# Altium PCB OpenCore_Carrier_Board.PcbDoc (part 5 of 5)
Units mm, origin at the board's own origin, x right, y up, seen from the top; angles counter-clockwise.
Board outline 161.24 x 91.44 mm, 6 copper layers (TOP, L2 GND, L3 PWR, L4 SIG, L5 GND, BOT), stack 1.538 mm thick; 268 components, 173 nets, 1302 pads, 1165 vias.
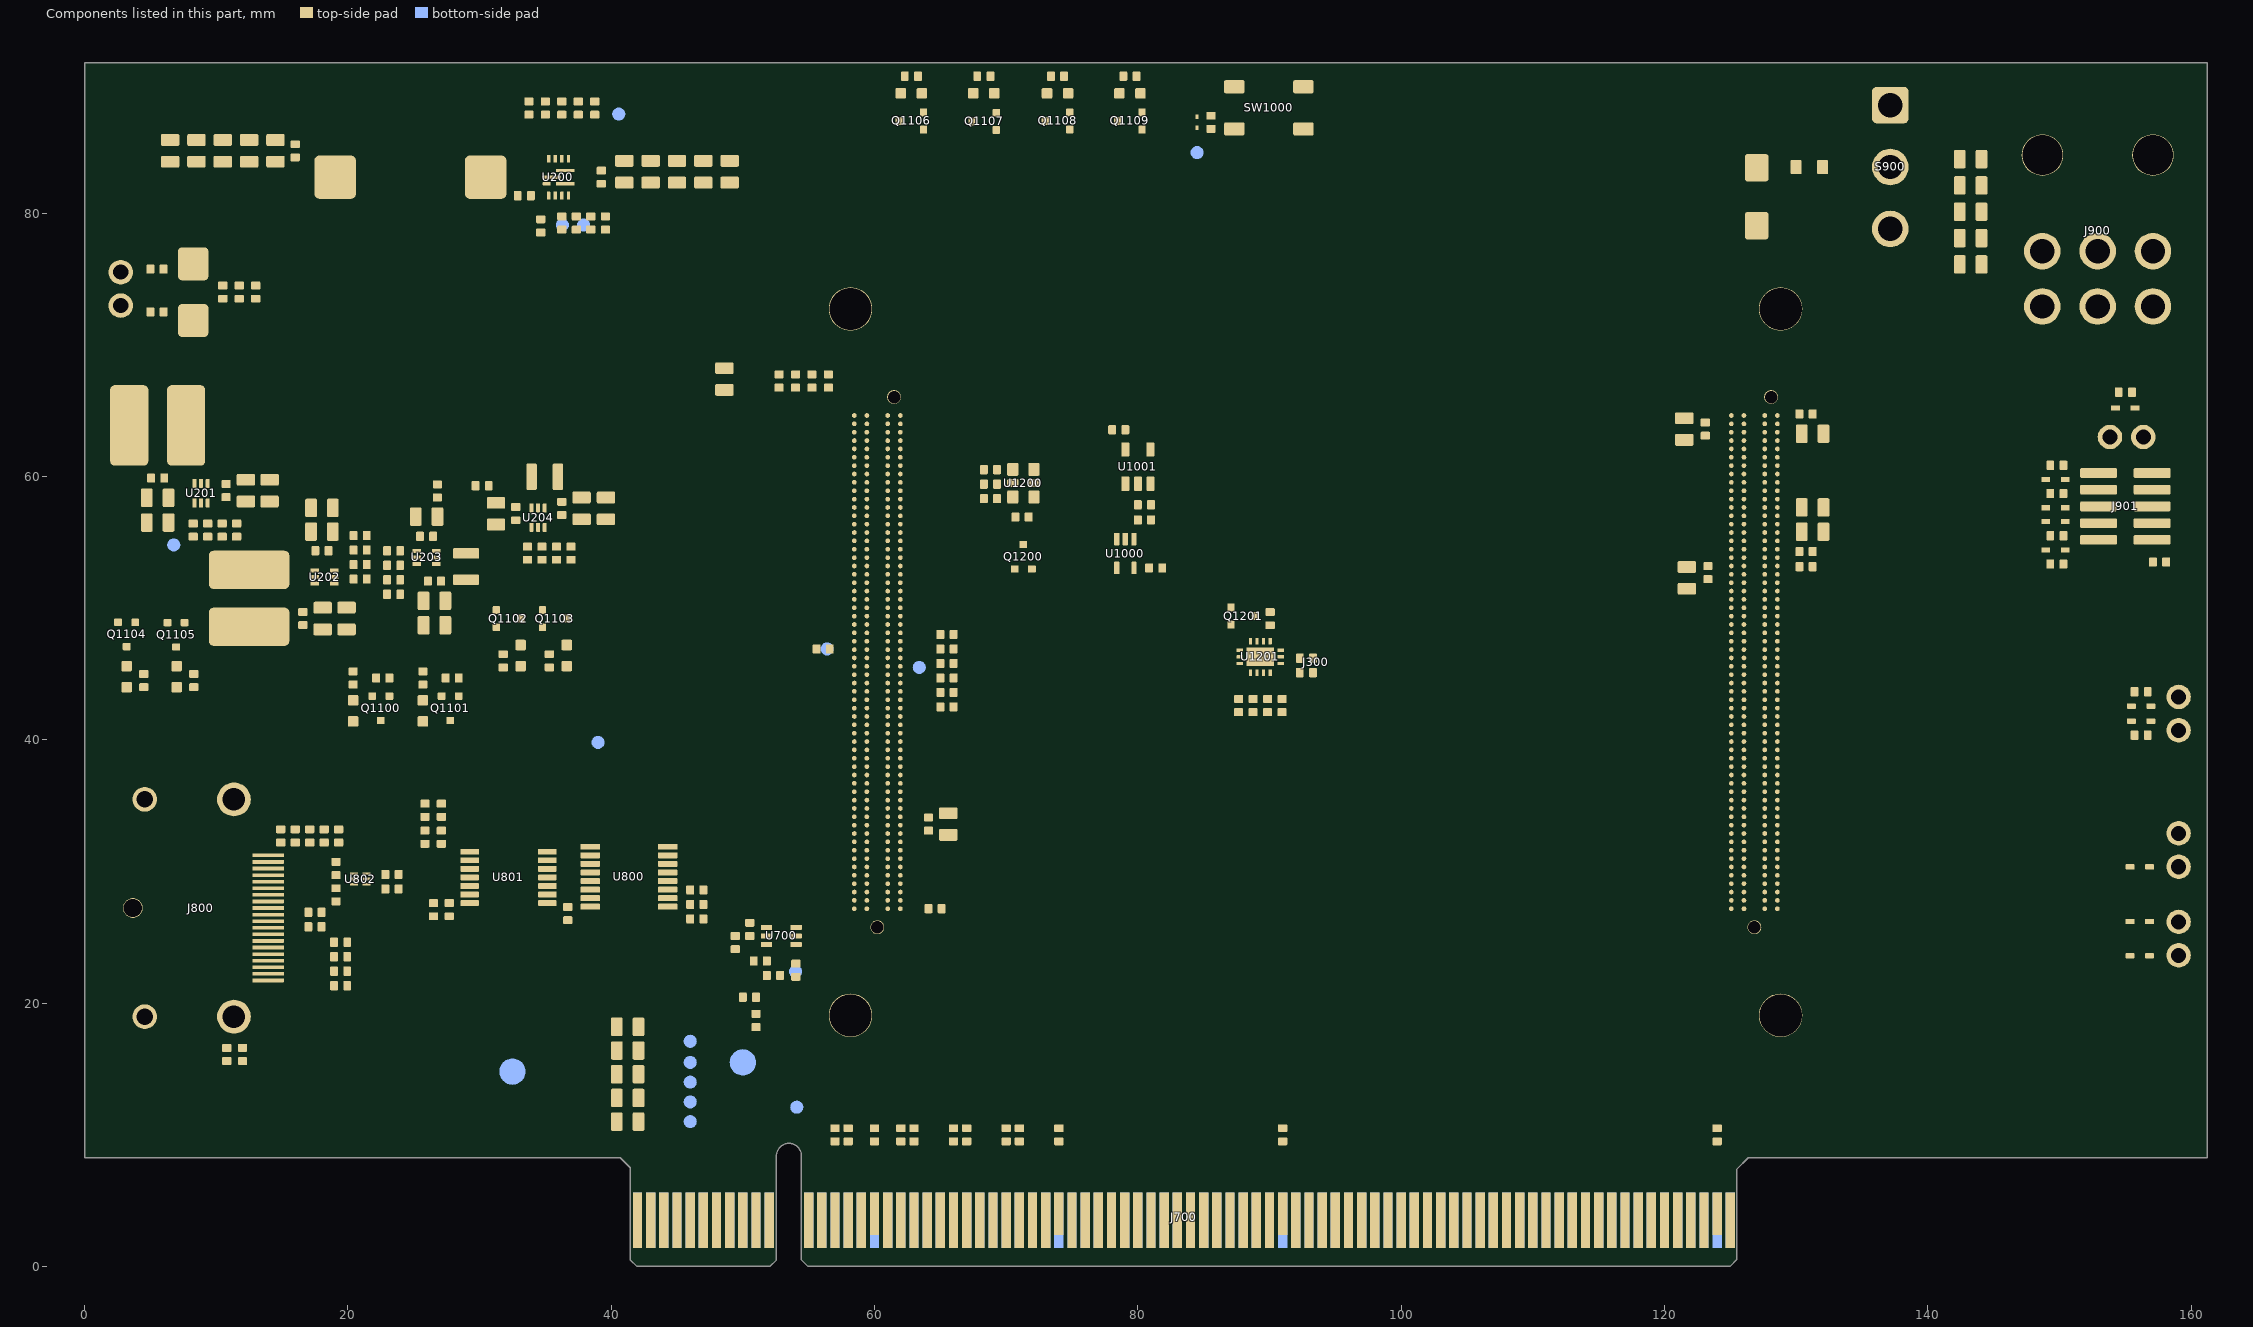
[diagram p9: the components of this part, seen from the top]

## Silkscreen, mask and mechanical layers (free items; w line width, h text height) (continued)
Mechanical 1:
  lines w0.2: 125.476,0.762 125.476,7.366 126.365,8.255 161.239,8.255 161.239,91.415 ; 125.476,0.813 125.476,0.508 124.968,0 54.95,0 54.45,0.5 54.45,8.4 ccw(c53.5,8.4) 52.55,8.4 52.55,0.5 52.05,0 41.95,0 41.45,0.5 41.45,7.496 40.691,8.255 0,8.255 0,91.44 161.239,91.44

## Text inside footprints (layer, text, board x,y; h text height)
J300: Top Overlay "SOM2" at 123.924,24.663 h1.02 r90; Top Overlay "SOM1" at 57.312,24.722 h1.02 r90